# KiCad board CXD-ROUTER-V1.0_PUBLISH.kicad_pcb (continued)
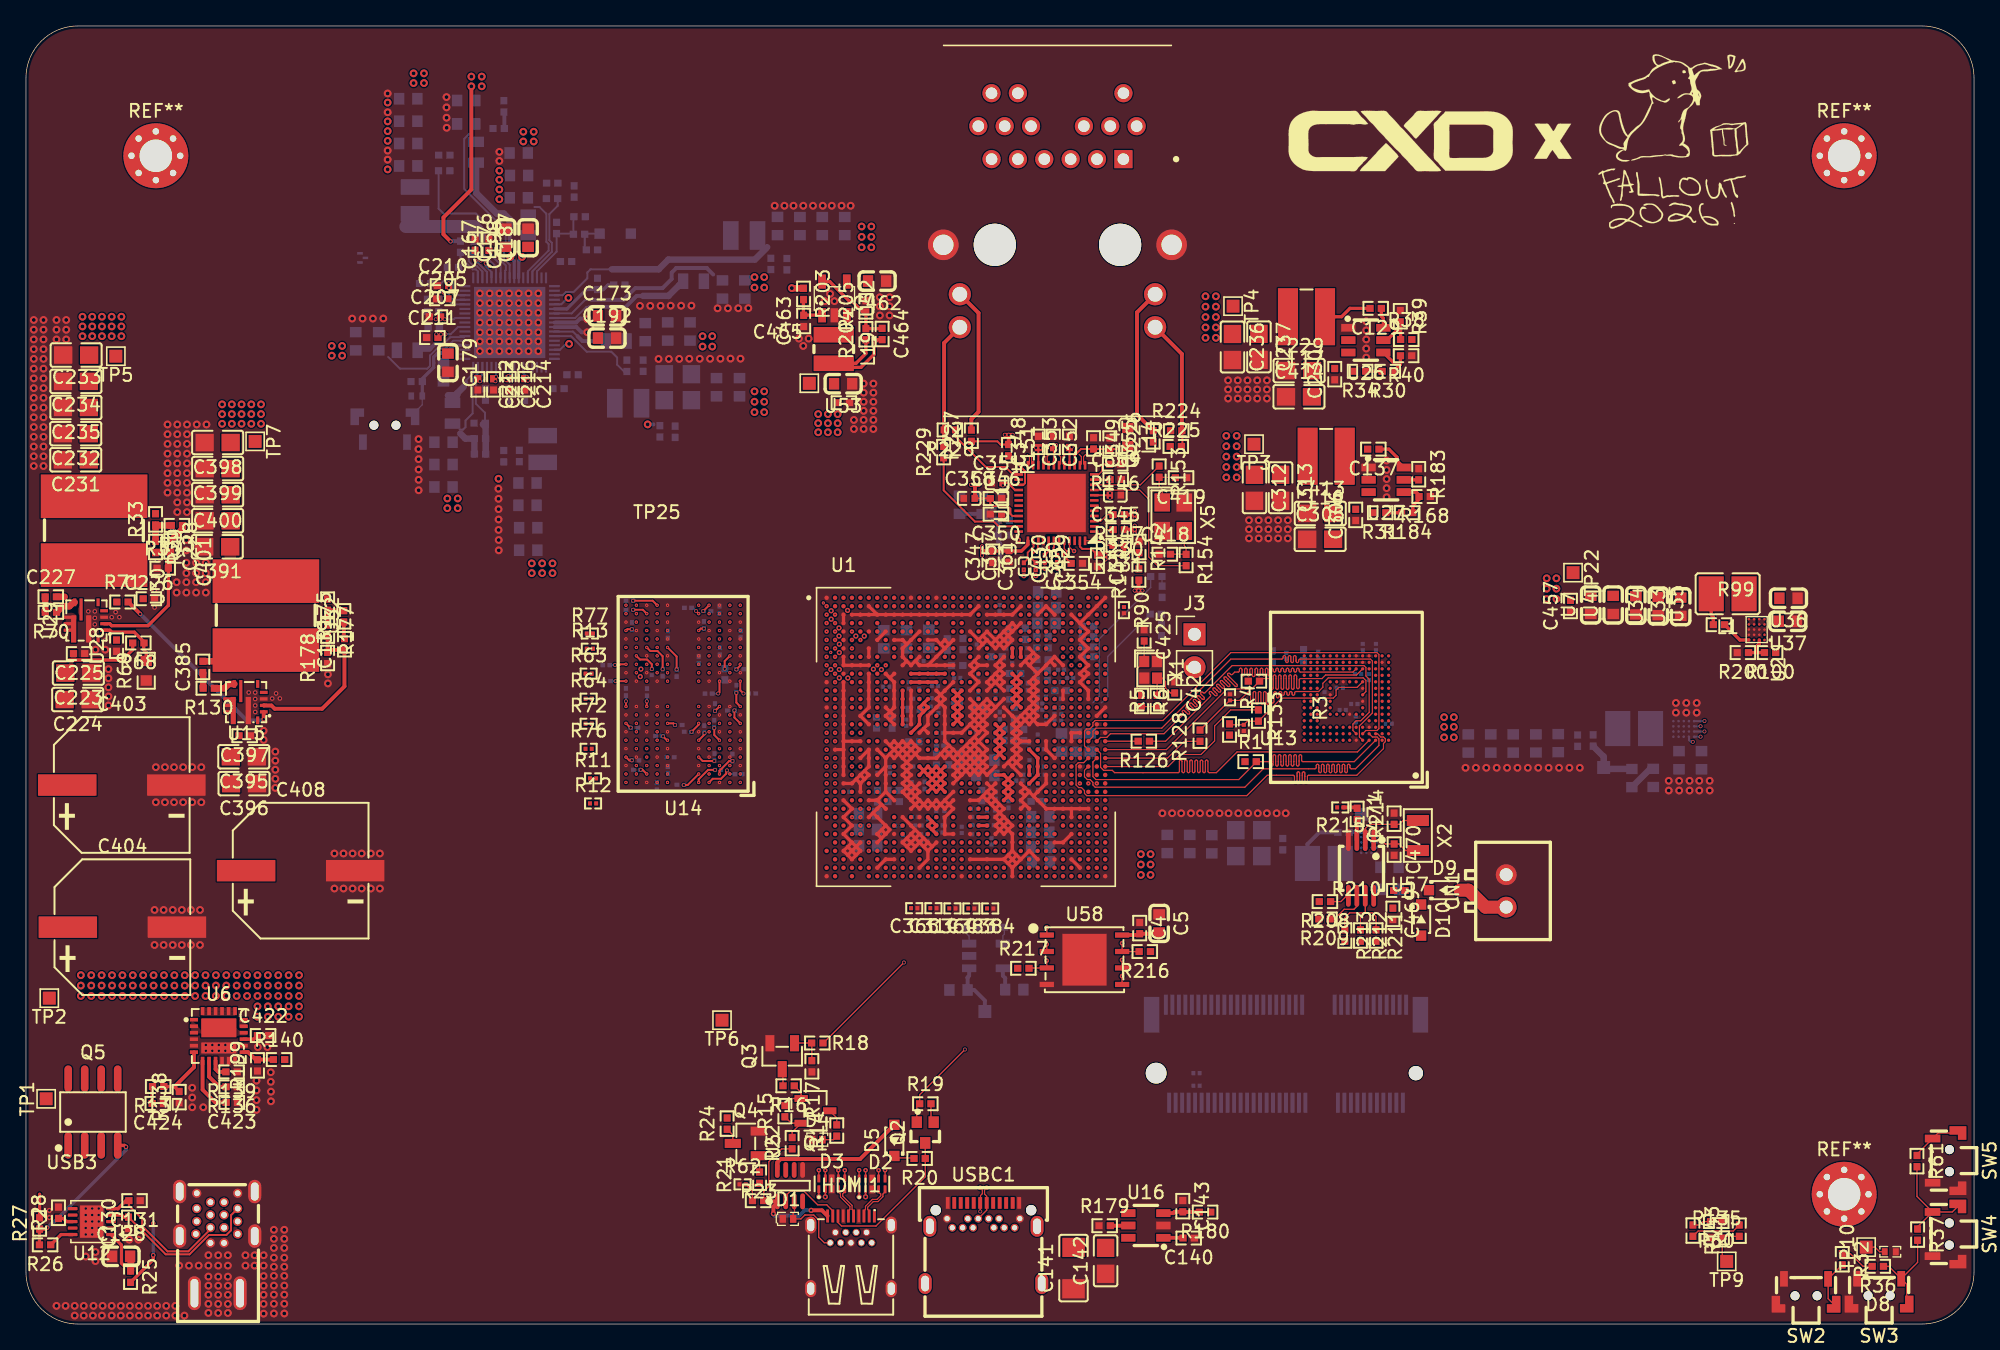
[diagram p0: board, top side]
## Routing (per net, layer and track width the routed paths; a pad name or vN(x,y) marks a point on that pad's centre or on a via; arc(x,y) is an arc through that point) (continued)
  Bottom w0.15: C168.1 31.77,85.93 32.14,85.55 34.64,85.55 35.74,84.45 35.74,82.45 36.04,82.15 36.04,82.12 36.54,81.62 U18.24
  vias: v1(29.84,96.35) v1(29.84,95.6) v1(30.64,95.6)
VDDA_0V85_S0: length 4.4
  Top w0.254: 69.77,38.73 69.45,38.41 U1.AH13 69.75,38.1 ; 69.77,38.73 70.1,38.4 69.8,38.1 69.75,38.1 ; 69.77,38.73 U1.AG13 ; 69.75,38.1 70.1,37.75
  Bottom w0.15: v5(32.25,77.4) 32.95,77.4 33.05,77.5 33.3,77.5 33.3,77.5 U18.10
  vias: v5(31.55,77.4) v5(31.9,77.4)
VDDA_1V2_S0: length 1.8
  Top w0.254: U1.AH20 U1.AH19
  Bottom w0.15: v5(38.65,72.68) 38.65,72.88 v5(38.55,72.98) 38.29,73.23 U18.57
VDDQ_DDR: length 12
  Top w0.15: v2(47.8,54.73) 47.5,55.03 v5(46.75,55.03) ; v2(51.8,53.43) 51.95,53.58 v5(52.2,53.58) ; v5(49.02,50.44) 49.02,51.45 48.63,51.84 48.08,51.84 v2(47.8,52.12) ; v5(47.33,42.7) 47.47,42.7 v2(47.8,42.38) ; v5(53,43.38) 52.1,43.38 v2(51.8,43.68) ; v2(53.4,42.38) 53.4,42.62 54.15,43.38 v5(54.4,43.38) ; v2(46.2,53.43) 46.3,53.53 v5(46.65,53.53) ; v5(50.65,41.53) 50.95,41.53 v2(51.8,42.38) ; v5(53,45.93) 53,45.38 v2(53.4,44.98) ; v5(46.65,43.43) 46.45,43.43 v2(46.2,43.68) ; v2(51.8,54.73) v5(51.6,54.93)
  Bottom w0.15: C272.2 51.35,55.18 v5(51.6,54.93)
  vias: v2(47.8,44.98) v2(49.4,54.73) v2(49.4,53.43) v2(49.4,43.68) v2(49.4,42.38) v2(53.4,54.73) v2(53.4,52.12) v2(55,53.43) v2(55,43.68)
VDDQ_DDR_S0: length 57.4
  Top w0.254: U1.M10 U1.T10 ; U1.K15 U1.K11
  In4.Cu w1: 68.59,50.35 67.59,50.35 65.84,52.1 65.84,54.6 62.34,58.1 44.34,58.1 42.59,56.35 38.41,56.35 33.24,61.52 v1(33.24,62.85)
  Bottom w0.15: 33.39,68.9 33.64,68.9 33.84,69.1 33.84,69.6 34.39,70.15 34.39,72.83 34.79,73.23 U18.67
  Bottom w0.5: 33.44,68.6 33.83,68.21 R50.2 34.53,68.2 C183.2
  vias: v1(32.44,63.6) v1(32.44,62.85) v1(33.24,63.6)
/ETHERNET & MAGNETICS/CKXTAL1_E2: length 5.6
  Top w0.09: R153.1 85.8,64.65 U11.10
/ETHERNET & MAGNETICS/CKXTAL2_E2: length 12.1
  Top w0.09: U11.9 85.75,64.25 86.45,63.55 86.45,59.1 87.13,58.42 R154.2
/ETHERNET & MAGNETICS/CLKREQB_E2: length 2.3
  Top w0.09: U11.48 82.71,60.34 83.05,60 R231.2
/ETHERNET & MAGNETICS/EVDD33_E0: length 2.1
  Top w0.15: U11.43 79.55,59.85 79.91,59.5 79.91,59.17 C354.2
/ETHERNET & MAGNETICS/GIP/GPO_E2: length 1.6
  Top w0.09: 82.26,61.85 82.75,61.85 83.26,62.36 R147.2
/ETHERNET & MAGNETICS/LANWAKEB_E2: length 1.6
  Top w0.09: R230.2 83.11,61.2 82.85,61.45 U11.2
/ETHERNET & MAGNETICS/LED1/EESK/SPISCK_E2: length 3.2
  Top w0.15: R151.2 75.75,66.89 76.93,65.71 76.93,64.78 76.8,64.65 U11.27
/ETHERNET & MAGNETICS/LED2/EEDO/SPISO_E2: length 6.6
  Top w0.15: U11.25 76,65.45 75.42,66.03 73.9,66.03 71.58,68.36 R228.1
/ETHERNET & MAGNETICS/LED3_E2: length 9.4
  Top w0.15: R229.1 70.66,64.23 73.07,61.82 74.53,61.82 74.9,61.45 U11.35
/ETHERNET & MAGNETICS/MDIN0_2: length 28
  Top w0.09: v8(81.1,66.99) 81.26,66.82 81.26,66.27 81.15,66.16
  In2.Cu w0.09: J2.9 82.39,91.35 82.39,91.16 83.36,90.19 83.36,88.22 81.26,86.11 81.26,67.15 v8(81.1,66.99)
/ETHERNET & MAGNETICS/MDIN1_2: length 24.9
  Top w0.09: U11.18 79.66,66.27 79.66,66.81 v8(79.5,66.98)
  In2.Cu w0.09: J2.3 81.37,88.81 81.37,88.14 79.67,86.44 79.67,67.14 v8(79.5,66.98)
/ETHERNET & MAGNETICS/MDIN2_2: length 24.6
  Top w0.09: v8(78.3,66.99) 78.46,66.83 78.46,66.27 U11.21
  In2.Cu w0.09: J2.5 77.31,88.81 77.31,87.4 78.46,86.24 78.46,67.16 v8(78.3,66.99)
/ETHERNET & MAGNETICS/MDIN3_2: length 27.9
  Top w0.09: v8(77.1,66.97) 77.26,66.8 77.26,66.27 77.15,66.16
  In2.Cu w0.09: v8(77.1,66.97) 77.27,67.13 77.27,85.74 75.28,87.73 75.28,90.18 76.29,91.19 76.29,91.35 J2.11
/ETHERNET & MAGNETICS/MDIP0_2: length 28
  Top w0.09: v8(81.6,66.99) 81.44,66.82 81.44,66.27 U11.13
  In2.Cu w0.09: J2.8 82.56,91.35 82.56,91.23 83.54,90.26 83.54,88.14 81.44,86.04 81.44,67.15 v8(81.6,66.99)
/ETHERNET & MAGNETICS/MDIP1_2: length 24.9
  Top w0.09: U11.17 79.84,66.27 79.84,66.81 v8(80,66.98)
  In2.Cu w0.09: v8(80,66.98) 79.83,67.14 79.83,86.36 81.54,88.07 81.54,88.81 J2.2
/ETHERNET & MAGNETICS/MDIP2_2: length 24.6
  Top w0.09: v8(78.8,66.99) 78.64,66.83 78.64,66.27 78.75,66.16
  In2.Cu w0.09: v8(78.8,66.99) 78.64,67.16 78.64,86.31 77.48,87.47 77.48,88.81 J2.4
/ETHERNET & MAGNETICS/MDIP3_2: length 27.9
  Top w0.09: v8(77.6,66.97) 77.44,66.8 77.44,66.27 U11.23
  In2.Cu w0.09: v8(77.6,66.97) 77.43,67.13 77.43,85.81 75.45,87.8 75.45,90.11 76.46,91.12 76.46,91.35 J2.10
/ETHERNET & MAGNETICS/RSET_E2: length 1.7
  Top w0.1: U11.12 82.6,65.45 82.85,65.7 82.85,66.05 83.05,66.25 R146.2
/HDMI_RXDDC_SCL_PORT: length 5.2
  Top w0.1: U5.2 58.5,9.88 58.85,10.23 59.92,10.23 60.97,9.18 61.66,9.18 62.12,8.72 HDMI1.17
/HDMI_RXDDC_SDA_PORT: length 6.5
  Top w0.09: U5.3 59.15,9.02
  Top w0.1: HDMI1.18 61.47,6.26 61.04,6.69 61.04,8.01 60.65,8.4 59.97,8.4 59.68,8.1 D1.2 59.07,8.52 59.18,8.62 59.18,9.43 U5.3
/HDMIIRX_DET_L: length 1.3
  Top w0.1: R24.1 54.43,14.57 Q4.3
/PMIC RK806-1/PMIC_FB6: length 7.1
  Bottom w0.15: R52.1 40.95,86.15 40.29,85.5 40.29,83.5 40.49,83.3 40.49,82.6 38.99,81.1 U18.31
/PMIC RK806-1/PMIC_FB9: length 7.5
  Bottom w0.15: U18.66 35.14,73.15 34.99,73 34.89,73 34.64,72.75 34.64,70.9 35.34,70.2 35.34,69.43 35.37,69.4
  Bottom w0.5: C183.1 35.4,68.2 R50.1 35.39,69.11 35.19,69.3 35.3,69.4 35.37,69.4
/PMIC RK806-1/PMIC_SW4: length 9.9
  Bottom w0.15: 35.14,82.5 36.19,81.45 U18.23
  Bottom w0.3: 35.14,82.5 35.14,83.6
  Bottom w0.5: 35.14,83.6 35.14,83.88 34.78,84.25
  Bottom w1: 29.24,84.55 34.48,84.55 34.78,84.25
/PMIC RK806-1/PMIC_SW5: length 4.3
  Bottom w0.15: 42.47,76.11 42.12,76.46 U18.45
  Bottom w0.3: L12.1 42.85,75.72 42.47,76.11
/PMIC RK806-1/PMIC_SW9: length 3.4
  Bottom w0.15: 33.89,72.55 33.89,72.7 34.44,73.25 U18.68
  Bottom w0.3: 33.89,72.55 33.89,72.4 33.69,72.2
  Bottom w0.5: 32.49,71.55 33.19,71.55 33.19,71.7 33.69,72.2
/PMIC RK806-1/PMIC_SW10: length 14.7
  Bottom w0.15: U18.6 33.71,76.02 32.66,76.02 32.14,75.5 ; 37.24,83.45 37.24,83.05 36.79,82.6 36.79,82.05 37.24,81.6 U18.26
  Bottom w0.3: 37.24,83.45 37.24,84.55 ; 31.04,75.15 31.14,75.15 31.49,75.5 32.14,75.5
  Bottom w0.5: L8.1 34.66,87.13 36.24,85.55 36.79,85.55 37.24,85.1 37.24,84.55 ; L9.1 30.3,75.15 31.04,75.15
/PMIC RK806-1/PMIC_VDC: length 6.7
  Bottom w0.15: U18.32 39.34,81.1 40.85,82.61 R54.1 42.1,84 R53.1 42.15,85.27 C200.1
/PMU & CLOCK - E | F/XIN_24M: length 4.6
  Top w0.09: C425.2 86.1,51.05 X1.1 85.55,50.48 85.55,48.79 R6.1
/PMU & CLOCK - E | F/XOUT_24M: length 1.2
  Top w0.09: R6.2 R5.1
/TYPEC_VBUS: length 7.1
  Top w0.254: R25.2 9.8,4.96 v3(9.8,5.3) ; 8,3.21 7.98,3.24 ; R27.2 1.05,10
  Bottom w0.254: v3(9.8,5.3) v3(9.8,7.75)
/VCCIO - J | K | I/VSEL4: length 11.6
  Bottom w0.1: R111.2 86.61,56.74 82.64,52.78 82.64,48.35 82.14,47.85
/VCCIO - J | K | I/VSEL5: length 8.4
  Bottom w0.1: 82.79,47.85 83.29,48.35 83.29,51.42 R112.2
BIG/NPU_EN: length 3.1
  Top w0.254: 133.3,51.73 133.3,52.25 133.46,52.42 U2.A2 ; 133.3,51.73 R200.1 ; 133.3,51.73 R100.2
  Bottom w0.15: U54.A2 129.24,45.65 v5(129.24,45.65)
BOOT_SARADC_IN0: length 3.3
  Top w0.1: R41.1 130.74,6.75 R135.2 130.62,5.16 TP9.1
CPU_BIG1_VSEL: length 0.5
  Bottom w0.15: U54.A1 128.94,45.25 v5(128.94,45.25)
DDR_CH0_A0_A:
  vias: v2(54.2,46.28)
DDR_CH0_A0_B:
  vias: v2(54.2,50.83)
DDR_CH0_A1_A:
  vias: v2(54.2,46.93)
DDR_CH0_A1_B:
  vias: v2(54.2,50.18)
DDR_CH0_A2_A:
  vias: v2(48.6,46.28)
DDR_CH0_A2_B:
  vias: v2(48.6,50.83)
DDR_CH0_A3_A:
  vias: v2(47.8,46.28)
DDR_CH0_A3_B:
  vias: v2(47.8,50.83)
DDR_CH0_A4_A:
  vias: v2(47,46.28)
DDR_CH0_A4_B: length 15
  In1.Cu w0.09: v4(47.35,50.45) 47,50.8 v2(47,50.83)
  In2.Cu w0.09: v2(61.65,50.1) v11(61.3,50.1)
  In2.Cu w0.131: v4(47.35,50.45) 47.7,50.11 61.29,50.11 v11(61.3,50.1)
DDR_CH0_A5_A:
  vias: v2(47,46.93)
DDR_CH0_A5_B: length 16.2
  In1.Cu w0.09: v2(47,50.18) v4(47.3,49.88) ; v2(62.3,49.45) 62.6,49.75
  In2.Cu w0.131: v4(62.63,49.78) 62.62,49.77 47.41,49.77 v4(47.3,49.88)
DDR_CH0_CLKN_A:
  vias: v2(48.6,46.93)
DDR_CH0_CLKN_B:
  vias: v2(48.6,50.18)
DDR_CH0_CLKP_A:
  vias: v2(49.4,46.93)
DDR_CH0_CLKP_B:
  vias: v2(49.4,50.18)
DDR_CH0_DM0_A: length 15.6
  In1.Cu w0.09: v2(63.6,43.6) 63.3,43.9 63.3,43.91 v7(63.28,43.93)
  In1.Cu w0.1: v2(53.4,43.03) 53.68,43.31 v7(53.68,43.32)
  In2.Cu w0.131: v7(53.68,43.32) 53.68,43.33 53.68,44 53.95,44.27 53.95,44.98 56.19,47.23 62.25,47.23 62.85,46.62 62.85,44.33 63.25,43.93 v7(63.28,43.93)
DDR_CH0_DM0_B: length 30.9
  In1.Cu w0.09: v4(63.28,49.77) 63.93,50.42 63.93,51.72 v2(63.6,52.05) ; v2(53.4,54.08) v7(53.7,53.78)
  In2.Cu w0.131: v7(53.7,53.78) 53.7,53.38 53.55,53.23 53.55,51.35 53,50.8 46.72,50.8 46.5,50.58 46.5,49.68 46.74,49.43 62.94,49.43 v4(63.28,49.77)
DDR_CH0_DM1_A: length 30.5
  In1.Cu w0.09: v2(63.6,42.3) v7(63.3,42)
  In1.Cu w0.1: v2(47.8,43.03) 47.8,43.03 v7(47.48,43.34)
  In2.Cu w0.131: v7(63.3,42) 58.47,37.17 48.61,37.17 45.49,40.29 45.49,44.79 46.08,45.38 47.07,45.38 47.47,44.98 47.47,43.36 v7(47.48,43.34)
DDR_CH0_DM1_B: length 35.2
  In1.Cu w0.09: v2(47.8,54.08) v7(48.1,54.38) ; v2(63.6,53.35) 63.3,53.65 63.3,54.94 v4(63.26,54.98)
  In2.Cu w0.131: v7(48.1,54.38) 48,54.28 arc(47.93,54.24) 47.85,54.28 47.83,54.3 arc(47.75,54.33) 47.68,54.3 arc(47.65,54.22) 47.68,54.15 48.09,53.74 arc(48.12,53.67) 48.09,53.59 arc(48.01,53.56) 47.94,53.59 47.49,54.04 arc(47.42,54.07) 47.35,54.04 arc(47.31,53.96) 47.35,53.89 47.72,53.51 arc(47.75,53.44) 47.72,53.37 arc(47.64,53.33) 47.57,53.37 47.4,53.53 arc(47.33,53.56) 47.26,53.53 47.05,53.33 47.05,53.06 arc(47.08,52.99) 47.15,52.96 arc(47.22,52.94) 47.25,52.86 47.25,52.85 arc(47.22,52.78) 47.15,52.75 arc(47.08,52.72) 47.05,52.65 47.05,52.33 46.9,52.18 46.2,52.18 arc(46.17,52.25) 46.2,52.32 46.22,52.35 arc(46.25,52.42) 46.22,52.49 arc(46.15,52.53) 46.07,52.49 46.05,52.47 arc(45.98,52.44) 45.9,52.47 arc(45.87,52.55) 45.9,52.62 45.96,52.68 arc(45.99,52.75) 45.96,52.83 arc(45.88,52.86) 45.81,52.83 45.75,52.77 arc(45.68,52.74) 45.6,52.77 45.6,52.78 45.6,56.5 49.12,60.03 58.7,60.03 63.26,55.46 v4(63.26,54.98) 63.25,54.98
DDR_CH0_DQ0_A: length 15.8
  In1.Cu w0.09: v2(61.65,45.55) v8(61.25,45.55)
  In1.Cu w0.1: v2(54.2,42.38) v7(54.52,42.06)
  In2.Cu w0.131: v7(54.52,42.06) 55.29,42.83 arc(55.37,42.86) 55.44,42.83 55.47,42.81 arc(55.55,42.77) 55.62,42.81 arc(55.65,42.88) 55.62,42.95 55.42,43.16 arc(55.39,43.23) 55.42,43.31 arc(55.49,43.34) 55.56,43.31 55.77,43.1 arc(55.84,43.07) 55.92,43.1 arc(55.95,43.18) 55.92,43.25 55.71,43.46 arc(55.68,43.53) 55.71,43.61 arc(55.79,43.64) 55.86,43.61 56.42,43.05 arc(56.49,43.02) 56.57,43.05 arc(56.6,43.12) 56.57,43.2 56.01,43.75 arc(55.98,43.83) 56.01,43.9 arc(56.09,43.93) 56.16,43.9 56.72,43.35 arc(56.79,43.31) 56.87,43.35 arc(56.9,43.42) 56.87,43.49 56.31,44.05 arc(56.28,44.13) 56.31,44.2 arc(56.38,44.23) 56.46,44.2 56.84,43.82 arc(56.91,43.79) 56.99,43.82 arc(57.02,43.89) 56.99,43.97 56.61,44.35 arc(56.58,44.42) 56.61,44.5 arc(56.68,44.53) 56.76,44.5 56.78,44.47 arc(56.86,44.44) 56.93,44.47 arc(56.96,44.55) 56.93,44.62 56.91,44.65 arc(56.87,44.72) 56.91,44.8 arc(56.98,44.83) 57.05,44.8 57.08,44.77 arc(57.16,44.74) 57.23,44.77 58.01,45.55 v8(61.25,45.55)
DDR_CH0_DQ0_B: length 32
  In1.Cu w0.09: v2(54.2,54.73) v7(53.9,55.03)
  In2.Cu w0.09: v2(61.65,51.4) v11(61.3,51.4)
  In2.Cu w0.131: v11(61.3,51.4) 60.27,51.4 59.09,52.59 arc(59.02,52.62) 58.94,52.59 58.88,52.52 arc(58.8,52.49) 58.73,52.52 arc(58.7,52.6) 58.73,52.67 58.79,52.73 arc(58.82,52.81) 58.79,52.88 arc(58.72,52.91) 58.64,52.88 58.26,52.5 arc(58.19,52.47) 58.11,52.5 arc(58.08,52.58) 58.11,52.65 58.49,53.03 arc(58.52,53.11) 58.49,53.18 arc(58.42,53.21) 58.35,53.18 58,52.83 arc(57.92,52.8) 57.85,52.83 arc(57.82,52.91) 57.85,52.98 58.2,53.33 arc(58.23,53.4) 58.2,53.48 arc(58.12,53.51) 58.05,53.48 58.02,53.45 arc(57.95,53.42) 57.87,53.45 arc(57.84,53.53) 57.87,53.6 57.9,53.63 arc(57.93,53.7) 57.9,53.78 57.89,53.78 arc(57.82,53.81) 57.75,53.78 arc(57.68,53.75) 57.61,53.78 57.6,53.79 arc(57.57,53.86) 57.6,53.93 arc(57.63,54) 57.6,54.07 57.59,54.08 arc(57.52,54.11) 57.45,54.08 arc(57.38,54.05) 57.31,54.08 57.3,54.09 arc(57.27,54.16) 57.3,54.23 arc(57.33,54.3) 57.3,54.37 arc(57.23,54.4) 57.15,54.37 56.95,54.17 arc(56.87,54.14) 56.8,54.17 arc(56.77,54.24) 56.8,54.32 57,54.52 arc(57.04,54.6) 57,54.67 arc(56.93,54.7) 56.86,54.67 56.37,54.18 arc(56.29,54.15) 56.22,54.18 arc(56.19,54.26) 56.22,54.33 56.71,54.82 arc(56.74,54.89) 56.71,54.97 arc(56.63,55) 56.56,54.97 56.28,54.69 arc(56.21,54.66) 56.13,54.69 arc(56.1,54.77) 56.13,54.84 56.41,55.12 arc(56.44,55.19) 56.41,55.27 56.22,55.45 56.07,55.45 arc(55.99,55.48) 55.96,55.56 55.96,55.64 arc(55.93,55.72) 55.86,55.75 arc(55.78,55.72) 55.75,55.64 55.75,54.26 arc(55.72,54.18) 55.65,54.15 arc(55.57,54.18) 55.54,54.26 55.54,55.64 arc(55.51,55.72) 55.44,55.75 arc(55.36,55.72) 55.33,55.64 55.33,54.26 arc(55.3,54.18) 55.23,54.15 arc(55.15,54.18) 55.12,54.26 55.12,55.64 arc(55.09,55.72) 55.02,55.75 arc(54.94,55.72) 54.91,55.64 54.91,54.26 arc(54.88,54.18) 54.8,54.15 arc(54.73,54.18) 54.7,54.26 54.7,55.64 arc(54.67,55.72) 54.59,55.75 arc(54.52,55.72) 54.49,55.64 54.49,54.36 arc(54.46,54.28) 54.38,54.25 arc(54.31,54.28) 54.28,54.36 54.28,55.34 arc(54.25,55.42) 54.17,55.45 53.57,55.45 53.5,55.38 53.5,55.38 53.2,55.08 53.2,54.73 53.3,54.62 53.3,54.23 53.4,54.12 53.45,54.12 53.55,54.23 53.55,54.68 v7(53.9,55.03) 53.9,54.88
DDR_CH0_DQ1_A: length 15.8
  In1.Cu w0.09: v2(62.3,46.2) v7(62.02,45.92)
  In1.Cu w0.1: v2(54.2,43.03) v7(54.52,42.71)
  In2.Cu w0.131: v7(54.52,42.71) 54.52,42.72 54.75,42.95 arc(54.82,42.98) 54.9,42.95 54.91,42.93 arc(54.99,42.9) 55.06,42.93 arc(55.09,43.01) 55.06,43.08 54.71,43.44 arc(54.68,43.51) 54.71,43.59 arc(54.78,43.62) 54.86,43.59 55.05,43.4 arc(55.12,43.37) 55.2,43.4 arc(55.23,43.47) 55.2,43.55 55,43.74 arc(54.97,43.81) 55,43.89 arc(55.08,43.92) 55.15,43.89 55.35,43.69 arc(55.42,43.66) 55.49,43.69 arc(55.53,43.77) 55.49,43.84 55.34,44 arc(55.31,44.08) 55.34,44.15 arc(55.41,44.18) 55.49,44.15 55.64,43.99 arc(55.72,43.96) 55.79,43.99 arc(55.82,44.07) 55.79,44.14 55.64,44.3 arc(55.6,44.37) 55.64,44.45 arc(55.71,44.48) 55.78,44.45 55.94,44.29 arc(56.02,44.26) 56.09,44.29 arc(56.12,44.36) 56.09,44.44 55.93,44.6 arc(55.9,44.67) 55.93,44.75 arc(56.01,44.78) 56.08,44.75 56.24,44.59 arc(56.31,44.56) 56.39,44.59 arc(56.42,44.66) 56.39,44.74 56.23,44.89 arc(56.2,44.97) 56.23,45.04 arc(56.31,45.07) 56.38,45.04 56.54,44.89 arc(56.61,44.86) 56.69,44.89 arc(56.72,44.96) 56.69,45.03 56.53,45.19 arc(56.5,45.27) 56.53,45.34 arc(56.6,45.37) 56.68,45.34 56.83,45.18 arc(56.91,45.15) 56.98,45.18 arc(57.01,45.26) 56.98,45.33 56.79,45.53 arc(56.76,45.6) 56.79,45.67 arc(56.87,45.71) 56.94,45.67 57.13,45.48 arc(57.21,45.45) 57.28,45.48 57.67,45.88 61.97,45.88 v7(62.02,45.92)
DDR_CH0_DQ1_B: length 32.7
  In1.Cu w0.09: v2(54.2,54.08) v7(53.9,54.38) ; v2(62.3,50.75) 62.6,50.45
  In2.Cu w0.131: v7(53.9,54.38) 54.35,53.93 57.17,53.93 57.6,53.49 57.6,52.45 57.8,52.25 58.95,52.25 60.12,51.08 63.08,51.08 63.15,51.15 67.9,51.15 68.1,50.95 68.1,50.6 67.85,50.35 67.73,50.35 arc(67.65,50.32) 67.62,50.24 67.62,45.77 arc(67.59,45.69) 67.52,45.66 arc(67.44,45.69) 67.41,45.77 67.41,50.24 arc(67.38,50.32) 67.31,50.35 66.55,50.35 66.03,50.87 63.07,50.87 v4(62.63,50.42)
DDR_CH0_DQ2_A: length 15.8
  In1.Cu w0.09: v2(61.65,46.2) v8(61.25,46.2)
  In1.Cu w0.1: v2(54.2,44.33) v7(54.52,44.01)
  In2.Cu w0.1: 54.52,44.01 v7(54.52,44.01)
  In2.Cu w0.131: v8(61.25,46.2) 60.95,46.2 arc(60.88,46.23) 60.85,46.31 60.85,46.55 arc(60.82,46.62) 60.74,46.65 arc(60.67,46.62) 60.64,46.55 60.64,46.31 arc(60.61,46.23) 60.53,46.2 arc(60.46,46.23) 60.43,46.31 60.43,46.55 arc(60.39,46.62) 60.32,46.65 arc(60.25,46.62) 60.21,46.55 60.21,46.31 arc(60.18,46.23) 60.11,46.2 arc(60.04,46.23) 60,46.31 60,46.55 arc(59.97,46.62) 59.9,46.65 arc(59.82,46.62) 59.79,46.55 59.79,46.31 arc(59.76,46.23) 59.69,46.2 arc(59.61,46.23) 59.58,46.31 59.58,46.55 arc(59.55,46.62) 59.48,46.65 arc(59.4,46.62) 59.37,46.55 59.37,46.31 arc(59.34,46.23) 59.27,46.2 arc(59.19,46.23) 59.16,46.31 59.16,46.55 arc(59.13,46.62) 59.06,46.65 arc(58.98,46.62) 58.95,46.55 58.95,46.31 arc(58.92,46.23) 58.85,46.2 arc(58.77,46.23) 58.74,46.31 58.74,46.55 arc(58.71,46.62) 58.64,46.65 arc(58.56,46.62) 58.53,46.55 58.53,46.31 arc(58.5,46.23) 58.42,46.2 arc(58.35,46.23) 58.32,46.31 58.32,46.55 arc(58.29,46.62) 58.21,46.65 arc(58.14,46.62) 58.11,46.55 58.11,46.31 arc(58.08,46.23) 58,46.2 arc(57.93,46.23) 57.9,46.31 57.9,46.55 arc(57.87,46.62) 57.79,46.65 arc(57.72,46.62) 57.69,46.55 57.69,46.31 arc(57.66,46.23) 57.58,46.2 56.71,46.2 56.47,45.96 arc(56.44,45.89) 56.47,45.81 56.5,45.78 arc(56.53,45.71) 56.5,45.63 arc(56.43,45.6) 56.35,45.63 56.32,45.66 arc(56.25,45.69) 56.17,45.66 arc(56.14,45.59) 56.17,45.51 56.2,45.49 arc(56.23,45.41) 56.2,45.34 arc(56.13,45.31) 56.05,45.34 56.03,45.36 arc(55.95,45.4) 55.88,45.36 arc(55.85,45.29) 55.88,45.22 55.9,45.19 arc(55.93,45.11) 55.9,45.04 arc(55.83,45.01) 55.76,45.04 55.73,45.07 arc(55.65,45.1) 55.58,45.07 arc(55.55,44.99) 55.58,44.92 55.61,44.89 arc(55.64,44.82) 55.61,44.74 arc(55.53,44.71) 55.46,44.74 55.43,44.77 arc(55.35,44.8) 55.28,44.77 arc(55.25,44.69) 55.28,44.62 55.31,44.59 arc(55.34,44.52) 55.31,44.44 arc(55.23,44.41) 55.16,44.44 55.13,44.47 arc(55.06,44.5) 54.98,44.47 v7(54.52,44.01)
DDR_CH0_DQ2_B: length 32.2
  In1.Cu w0.09: v2(54.2,52.78) v7(53.9,53.08)
  In2.Cu w0.09: v2(61.65,50.75) v11(61.3,50.75)
  In2.Cu w0.131: v7(53.9,53.08) 54.05,52.92 arc(54.13,52.89) 54.2,52.92 54.95,53.67 arc(55.02,53.7) 55.1,53.67 arc(55.13,53.6) 55.1,53.52 53.84,52.27 arc(53.81,52.19) 53.84,52.12 arc(53.92,52.09) 53.99,52.12 55.53,53.65 arc(55.6,53.69) 55.68,53.65 arc(55.71,53.58) 55.68,53.51 54.65,52.48 arc(54.62,52.4) 54.65,52.33 arc(54.72,52.3) 54.8,52.33 56.04,53.57 arc(56.11,53.6) 56.19,53.57 arc(56.22,53.49) 56.19,53.42 54.94,52.18 arc(54.91,52.1) 54.94,52.03 55.02,51.95 55.29,51.95 arc(55.36,51.98) 55.39,52.06 55.39,52.06 arc(55.42,52.13) 55.5,52.17 arc(55.57,52.13) 55.6,52.06 55.6,52.06 arc(55.63,51.98) 55.71,51.95 arc(55.78,51.98) 55.81,52.06 55.81,52.46 arc(55.84,52.53) 55.92,52.57 arc(55.99,52.53) 56.02,52.46 56.02,52.06 arc(56.05,51.98) 56.13,51.95 arc(56.2,51.98) 56.23,52.06 56.23,52.91 arc(56.26,52.98) 56.34,53.02 arc(56.41,52.98) 56.44,52.91 56.44,51.84 arc(56.47,51.77) 56.55,51.73 arc(56.62,51.77) 56.65,51.84 56.65,53.56 arc(56.69,53.63) 56.76,53.67 arc(56.83,53.63) 56.87,53.56 56.87,50.79 arc(56.9,50.72) 56.97,50.68 arc(57.04,50.72) 57.08,50.79 57.08,53.41 arc(57.11,53.48) 57.18,53.52 arc(57.26,53.48) 57.29,53.41 57.29,52.06 arc(57.32,51.98) 57.39,51.95 58.75,51.95 59.95,50.75 v11(61.3,50.75)
DDR_CH0_DQ3_A: length 15.8
  In1.Cu w0.09: v2(62.3,46.85) v7(62.02,46.57)
  In1.Cu w0.1: v2(54.2,44.98) v7(54.5,44.68)
  In2.Cu w0.131: v7(62.02,46.57) 62,46.55 61.6,46.55 61.2,46.95 56.77,46.95 56.75,46.92 arc(56.72,46.85) 56.75,46.77 56.9,46.62 arc(56.93,46.55) 56.9,46.47 arc(56.83,46.44) 56.75,46.47 56.33,46.89 arc(56.26,46.92) 56.18,46.89 arc(56.15,46.82) 56.18,46.74 56.46,46.46 arc(56.49,46.39) 56.46,46.31 arc(56.39,46.28) 56.31,46.31 56.03,46.59 arc(55.96,46.62) 55.88,46.59 arc(55.85,46.52) 55.88,46.44 56.16,46.17 arc(56.19,46.09) 56.16,46.02 arc(56.09,45.99) 56.01,46.02 55.74,46.3 arc(55.66,46.33) 55.59,46.3 arc(55.56,46.22) 55.59,46.15 55.87,45.87 arc(55.9,45.79) 55.87,45.72 arc(55.79,45.69) 55.72,45.72 55.44,46 arc(55.36,46.03) 55.29,46 arc(55.26,45.92) 55.29,45.85 55.57,45.57 arc(55.6,45.5) 55.57,45.42 arc(55.49,45.39) 55.42,45.42 55.14,45.7 arc(55.07,45.73) 54.99,45.7 arc(54.96,45.63) 54.99,45.55 55.25,45.29 arc(55.28,45.22) 55.25,45.15 55.25,45.14 arc(55.18,45.11) 55.11,45.14 54.86,45.39 arc(54.78,45.42) 54.71,45.39 arc(54.68,45.31) 54.71,45.24 54.81,45.14 arc(54.84,45.06) 54.81,44.99 v7(54.5,44.68)
DDR_CH0_DQ3_B: length 32.2
  In1.Cu w0.09: v2(54.2,52.12) v7(54.5,51.83) ; v2(62.3,50.1) 62,50.4
  In2.Cu w0.131: v4(61.97,50.43) 59.73,50.43 arc(59.65,50.46) 59.62,50.53 59.62,50.72 arc(59.59,50.8) 59.52,50.83 arc(59.44,50.8) 59.41,50.72 59.41,50.53 arc(59.38,50.46) 59.31,50.43 arc(59.23,50.46) 59.2,50.53 59.2,51.12 arc(59.17,51.2) 59.1,51.23 arc(59.02,51.2) 58.99,51.12 58.99,50.53 arc(58.96,50.46) 58.88,50.43 arc(58.81,50.46) 58.78,50.53 58.78,51.57 arc(58.75,51.65) 58.67,51.68 arc(58.6,51.65) 58.57,51.57 58.57,50.53 arc(58.54,50.46) 58.46,50.43 arc(58.39,50.46) 58.36,50.53 58.36,51.62 arc(58.33,51.7) 58.25,51.73 arc(58.18,51.7) 58.15,51.62 58.15,50.53 arc(58.12,50.46) 58.04,50.43 arc(57.97,50.46) 57.94,50.53 57.94,51.62 arc(57.91,51.7) 57.83,51.73 arc(57.76,51.7) 57.73,51.62 57.73,50.53 arc(57.7,50.46) 57.62,50.43 arc(57.55,50.46) 57.52,50.53 57.52,51.62 arc(57.49,51.7) 57.41,51.73 arc(57.34,51.7) 57.31,51.62 57.31,50.53 arc(57.27,50.46) 57.2,50.43 56.82,50.43 56.4,50.85 arc(56.33,50.88) 56.29,50.96 56.29,51.54 arc(56.26,51.62) 56.19,51.65 arc(56.11,51.62) 56.08,51.54 56.08,50.46 arc(56.05,50.38) 55.98,50.35 arc(55.9,50.38) 55.87,50.46 55.87,51.59 arc(55.84,51.67) 55.77,51.7 arc(55.69,51.67) 55.66,51.59 55.66,50.46 arc(55.63,50.38) 55.56,50.35 arc(55.48,50.38) 55.45,50.46 55.45,51.59 arc(55.42,51.67) 55.35,51.7 arc(55.27,51.67) 55.24,51.59 55.24,50.46 arc(55.21,50.38) 55.14,50.35 arc(55.06,50.38) 55.03,50.46 55.03,51.64 arc(55,51.72) 54.93,51.75 arc(54.85,51.72) 54.82,51.64 54.82,50.96 arc(54.79,50.88) 54.72,50.85 54.6,50.85 54.5,50.95 54.5,50.98 arc(54.47,51.06) 54.39,51.09 53.86,51.09 arc(53.78,51.12) 53.75,51.19 arc(53.78,51.27) 53.86,51.3 54.39,51.3 arc(54.47,51.33) 54.5,51.4 arc(54.47,51.48) 54.39,51.51 54.11,51.51 arc(54.03,51.54) 54,51.61 arc(54.03,51.69) 54.11,51.72 54.39,51.72 arc(54.47,51.75) v7(54.5,51.83)
DDR_CH0_DQ4_A: length 16.1
  In1.Cu w0.09: v2(61.65,44.25) v8(61.25,44.25)
  In1.Cu w0.1: v7(52.25,44.68) 52.3,44.68 v2(52.6,44.98)
  In2.Cu w0.131: v8(61.25,44.25) 59.62,44.25 56.14,40.77 52.68,40.77 51.54,41.91 51.53,41.91 51.53,43.96 arc(51.6,43.99) 51.67,43.96 arc(51.74,43.93) 51.81,43.96 51.82,43.96 arc(51.85,44.04) 51.82,44.11 51.68,44.25 arc(51.65,44.32) 51.68,44.39 51.69,44.4 arc(51.76,44.43) 51.83,44.4 arc(51.9,44.37) 51.97,44.4 v7(52.25,44.68)
DDR_CH0_DQ4_B: length 32.1
  In1.Cu w0.09: v7(52.2,52.53) v2(52.6,52.12)
  In2.Cu w0.09: v2(61.65,52.7) v11(61.3,52.7)
  In2.Cu w0.131: 52.1,52.43 v7(52.2,52.53) 52.2,51.88 52.05,51.73 51.85,51.73 arc(51.78,51.76) 51.74,51.83 51.74,53.12 arc(51.71,53.19) 51.64,53.23 arc(51.56,53.19) 51.53,53.12 51.53,51.83 arc(51.5,51.76) 51.43,51.73 arc(51.35,51.76) 51.32,51.83 51.32,53.12 arc(51.29,53.19) 51.22,53.23 arc(51.14,53.19) 51.11,53.12 51.11,51.83 arc(51.08,51.76) 51.01,51.73 50.95,51.73 50.85,51.83 50.85,52.11 arc(50.82,52.19) 50.74,52.22 49.66,52.22 arc(49.58,52.25) 49.55,52.32 arc(49.58,52.4) 49.66,52.43 50.74,52.43 arc(50.82,52.46) 50.85,52.53 arc(50.82,52.61) 50.74,52.64 50.11,52.64 arc(50.03,52.67) 50,52.74 arc(50.03,52.82) 50.11,52.85 50.74,52.85 arc(50.82,52.88) 50.85,52.95 arc(50.82,53.03) 50.74,53.06 50.41,53.06 arc(50.33,53.09) 50.3,53.16 arc(50.33,53.24) 50.41,53.27 50.74,53.27 arc(50.82,53.3) 50.85,53.38 50.85,53.4 arc(50.88,53.48) 50.96,53.51 51.24,53.51 arc(51.32,53.54) 51.35,53.61 arc(51.32,53.69) 51.24,53.72 50.41,53.72 arc(50.33,53.75) 50.3,53.82 arc(50.33,53.9) 50.41,53.93 50.74,53.93 arc(50.82,53.96) 50.85,54.03 arc(50.82,54.11) 50.74,54.14 50.71,54.14 arc(50.63,54.17) 50.6,54.24 arc(50.63,54.32) 50.71,54.35 50.74,54.35 arc(50.82,54.38) 50.85,54.45 50.85,54.98 50.9,55.03 50.89,55.01 52.97,57.1 56.6,57.1 61,52.7 v11(61.3,52.7)
DDR_CH0_DQ5_A: length 15.8
  In1.Cu w0.09: v2(62.3,44.9) v7(62.02,44.62)
  In1.Cu w0.1: v7(52.25,44.03) 52.3,44.03 v2(52.6,44.33)
  In2.Cu w0.131: v7(52.25,44.03) 51.9,43.68 51.9,43.53 arc(51.93,43.45) 52.01,43.42 52.31,43.42 arc(52.39,43.39) 52.42,43.31 arc(52.39,43.24) 52.31,43.21 52.01,43.21 arc(51.93,43.18) 51.9,43.1 51.9,42.02 52.83,41.09 55.99,41.09 59.48,44.58 61.98,44.58 v7(62.02,44.62)
DDR_CH0_DQ5_B: length 32.5
  In1.Cu w0.09: v2(62.3,52.05) 62.6,52.35 ; v2(52.6,52.78) 52.25,53.12 v7(52.2,53.12)
  In2.Cu w0.131: v7(52.2,53.12) 51.1,54.23 51.1,54.88 53.08,56.85 56.47,56.85 61,52.32 61.98,52.32 62.31,52.65 63.25,52.65 63.32,52.58 65.1,52.58 arc(65.18,52.62) 65.21,52.69 65.21,53.63 arc(65.24,53.7) 65.31,53.73 arc(65.39,53.7) 65.42,53.63 65.42,52.69 arc(65.45,52.62) 65.53,52.58 arc(65.6,52.62) 65.63,52.69 65.63,53.63 arc(65.66,53.7) 65.74,53.73 arc(65.81,53.7) 65.84,53.63 65.84,52.69 arc(65.87,52.62) 65.95,52.58 arc(66.02,52.62) 66.05,52.69 66.05,53.63 arc(66.08,53.7) 66.16,53.73 arc(66.23,53.7) 66.26,53.63 66.26,52.69 arc(66.29,52.62) 66.37,52.58 66.67,52.58 66.75,52.5 66.75,52.4 66.6,52.25 65.65,52.25 65.5,52.4 62.7,52.4 62.7,52.3 v4(62.63,52.38)
DDR_CH0_DQ6_A: length 15.8
  In1.Cu w0.09: v2(61.65,44.9) v8(61.25,44.9) ; v2(52.6,43.03) 52.33,42.76 v7(52.31,42.76)
  In2.Cu w0.131: v7(52.31,42.76) 52.31,42.11 53,41.42 55.77,41.42 57.68,43.33 arc(57.71,43.4) 57.68,43.48 57.52,43.63 arc(57.49,43.71) 57.52,43.78 arc(57.59,43.81) 57.67,43.78 57.83,43.62 arc(57.9,43.59) 57.97,43.62 arc(58.01,43.7) 57.97,43.77 57.78,43.97 arc(57.75,44.04) 57.78,44.12 arc(57.86,44.15) 57.93,44.12 58.12,43.92 arc(58.2,43.89) 58.27,43.92 arc(58.3,44) 58.27,44.07 58.08,44.26 arc(58.05,44.34) 58.08,44.41 arc(58.15,44.44) 58.23,44.41 58.42,44.22 arc(58.5,44.19) 58.57,44.22 arc(58.6,44.29) 58.57,44.37 58.38,44.56 arc(58.35,44.64) 58.38,44.71 arc(58.45,44.74) 58.53,44.71 58.72,44.52 arc(58.79,44.49) 58.87,44.52 arc(58.9,44.59) 58.87,44.67 58.71,44.82 arc(58.68,44.9) 58.71,44.97 arc(58.79,45) 58.86,44.97 59.02,44.82 arc(59.09,44.79) 59.17,44.82 59.25,44.9 v8(61.25,44.9)
